# Altium PCB PCB.PcbDoc
Units mm, origin at the board's own origin, x right, y up, seen from the top; angles counter-clockwise.
Board outline 20 x 184.53 mm, 2 copper layers (Top Layer, Bottom Layer), stack 1.062 mm thick; 51 components, 26 nets, 184 pads, 25 vias.
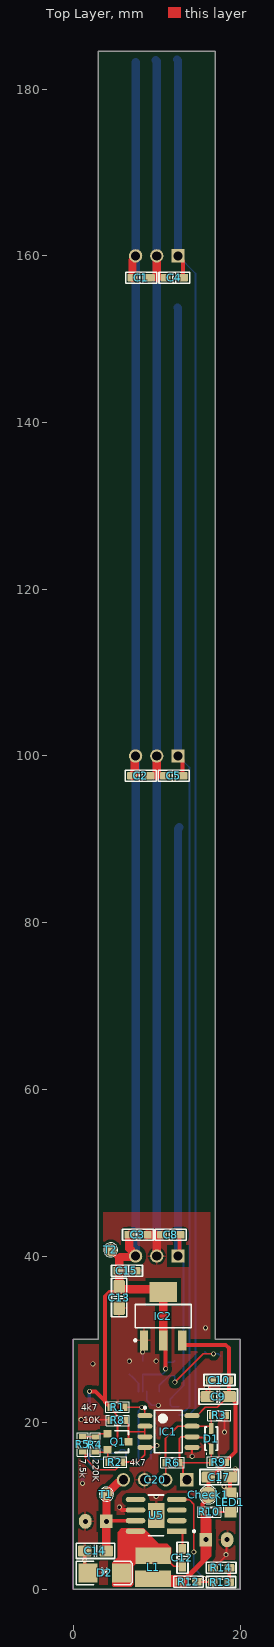
[diagram p0: Top Layer view]
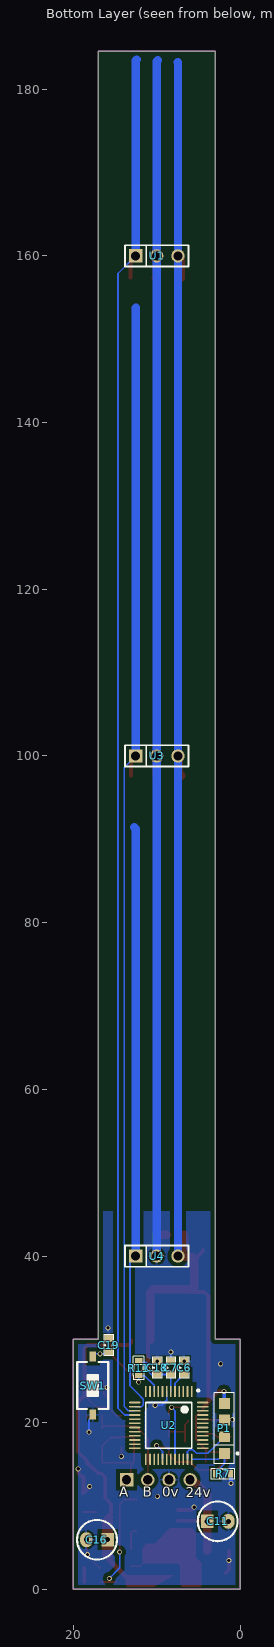
[diagram p1: Bottom Layer view, seen from below]
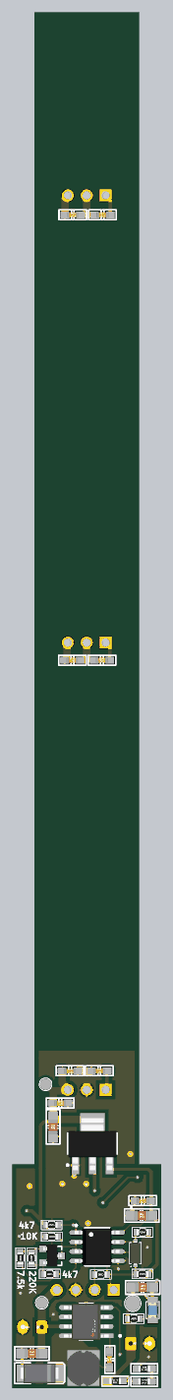
[diagram p2: 3D render of the assembled board from above, using the file's embedded part models]
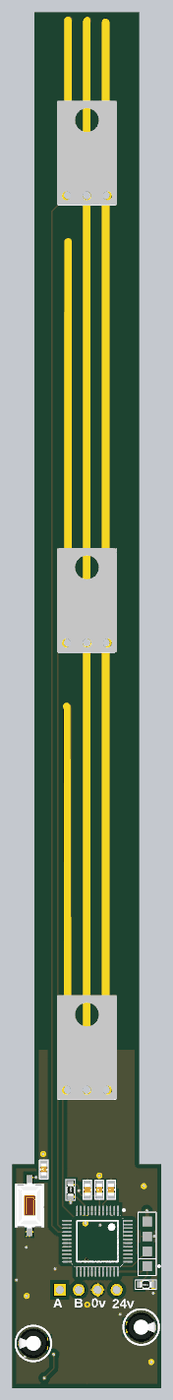
[diagram p3: 3D render of the assembled board from below, using the file's embedded part models]

## Layer stack, top to bottom
Top Solder: solder mask 0.0102, Solder Resist, Dk 3.5
Top Layer: signal copper 0.0356
Dielectric 1: core 0.9906, Core-042, Dk 4.6
Bottom Layer: signal copper 0.0356
Bottom Solder: solder mask 0.0102, Solder Resist, Dk 3.5

## Board outline
0,0 0,30 3,30 3,184.531 17,184.531 17,30 20,30 20,0

## Design rules (kind name [scope] priority, off if disabled: settings)
Clearance [All] p1: gap=0.254 ignorepadtopadclearanceinfootprint=FALSE except(0.5: Arc-Fill Arc-Poly Arc-Region Track-Fill Track-Poly Track-Region SMDPad-Fill SMDPad-Poly SMDPad-Region THPad-Fill THPad-Poly THPad-Region Via-Fill Via-Poly Via-Region Fill-Fill Fill-Poly Fill-Region Poly-Poly Poly-Region Region-Region)
PolygonConnect [All] p1: thpad.connectstyle=Relief thpad.reliefconductorwidth=0.254 thpad.reliefentries=4 thpad.polygonreliefangle="90 Angle" thpad.airgapwidth=0.254 smdpad.connectstyle=Relief smdpad.reliefconductorwidth=0.254 smdpad.reliefentries=4 smdpad.polygonreliefangle="90 Angle" smdpad.airgapwidth=0.254 via.connectstyle=Direct via.reliefconductorwidth=0.254 via.reliefentries=4 via.polygonreliefangle="90 Angle" via.airgapwidth=0.254
RoutingVias [All] p1: holewidth=0.4 width=0.6 viastyle="Through Hole" minholewidth=0.4 minwidth=0.6 maxholewidth=0.4 maxwidth=0.6
SolderMaskExpansion [All] p1: expansion=0.102 istentingtop=FALSE
Width [All] p1: maxlimit=1 minlimit=0.2 preferedwidth=0.45
30 further rules are at their usual default settings.

## Classes and differential pairs
component class MCU: C1 C2 C3 C4 C5 C6 C7 C9 C10 C11 C12 C13 C16 C17 C18 C19 C20 Check1 D1 D2 IC1 IC2 L1 LED1 P1 Q1 R1 R2 R3 R4 R5 R6 R7 R8 R9 R10 R11 R12 R13 R14 SW1 T1 T2 U1 U2 U3 U4 U5

## Components (designator, comment, footprint, x,y, rotation, side; value= is the part's Value field where it differs from the comment)
C1 "100nF" CAPC1608X90N 8.128,157.378 r0 top
C2 "100nF" CAPC1608X90N 8.077,97.638 r0 top
C3 "100nF" CAPC1608X90N 7.747,42.545 r0 top
C4 "10nF" CAPC1608X90N 12.116,157.378 r180 top
C5 "10nF" CAPC1608X90N 12.04,97.638 r180 top
C6 "100nF" CN-SMD-0603 6.706,26.594 r90 bottom value=33pF
C7 "100nF" CN-SMD-0603 8.306,26.594 r90 bottom value=33pF
C8 "10nF" CAPC1608X90N 11.684,42.545 r180 top
C9 "10µF" CAPC2012X135N 17.374,23.139 r0 top value=10μF
C10 "100nF" CAPC1608X90N 17.526,25.121 r180 top
C11 "22uF/35V" CA-ALU-2.54 2.692,8.179 r180 bottom value=104
C12 "10nF" CAPC1608X90N 13.081,3.81 r270 top
C13 "10µF" CAPC2012X135N 5.486,35.027 r90 top value=10μF
C14 "10µF" CAPC2012X135N 2.642,4.623 r0 top value=10μF
C15 "100nF" CAPC1608X90N 6.426,38.227 r0 top
C16 "22uF/35V" CA-ALU-2.54 17.17,5.969 r0 bottom value=104
C17 "100nF" CAPC2012X135N 17.501,13.487 r0 top
C18 "100nF" CN-SMD-0603 9.931,26.594 r90 bottom value=33pF
C19 "100nF" CN-SMD-0603 15.773,29.312 r90 bottom value=33pF
C20 "JP4" JP4-D1C 9.804,13.157 r180 top
Check1 "5V" SMD-2 16.18,11.354 r90 top
D1 "PSD12C" PSD12C 16.535,18.085 r90 top
D2 "SS34" DIO-SMD-106 3.759,1.981 r180 top value=1N5007
IC1 "MAX3485" SO8 11.399,18.948 r0 top
IC2 "LM1117IMP-3.3" SOT223 10.77,32.791 r0 top
L1 "CD75" 1uH 11.561,-0.915 r90 top
LED1 "LED" LED-0805-Blue 18.847,9.296 r90 top value="LED 3 - 5 ly 2 Colour"
P1 "Program" Program_SMD 1.888,16.326 r90 bottom
Q1 "2SA1015" SOT23-321 5.359,17.729 r270 top value=A1015
R1 "4k7" RES-SMD-0603 5.283,21.869 r0 top
R2 "4k7" RES-SMD-0603 5.029,15.291 r0 top
R3 "4.7K" RES-SMD-0603 17.501,20.879 r180 top
R4 "220K" RES-SMD-0603 2.591,17.399 r270 top
R5 "7.5k" RES-SMD-0603 1.092,17.399 r90 top
R6 "220R" RES-SMD-0603 11.887,15.215 r0 top
R7 "10k" RES-SMD-0603 2.057,13.868 r180 bottom
R8 "10K" RES-SMD-0603 5.309,20.295 r0 top
R9 "4.7K" RES-SMD-0603 17.475,15.291 r180 top
R10 "220" RES-SMD-0603 16.307,9.296 r0 top
R11 "10k" RES-SMD-0603 12.167,26.568 r270 bottom
R12 "10K_0603_1%" RESC1608X55N 13.818,0.914 r180 top value=10K
R13 "3K_0603_0.5%" RESC1608X55N 17.704,0.889 r180 top value=3K
R14 "220R_0603_1%" RESC1608X55N 17.729,2.591 r0 top value=220R
SW1 "RST" SW1-SMD 17.678,24.465 r270 bottom value="SW chip 2 pin"
T1 "Check" SMD_1.5 3.962,11.43 r0 top
T2 "Check" SMD_1.5 4.47,40.742 r0 top
U1 "Light Sensor" TEMT6000 10,160 r180 bottom
U2 "STM32G070CBT6" STM32G070CBT6 8.56,19.685 r270 bottom
U3 "Light Sensor" TEMT6000 10,100 r180 bottom
U4 "Light Sensor" TEMT6000 10,40 r180 bottom
U5 "TPS5430DDA" TPS5430 9.931,8.89 r180 top

## Footprints (in the part's own frame and the unit in brackets; to place one, negate y for a bottom-side part, rotate by r counter-clockwise, add the part's x,y. Pads: shape width x height; smd on the part's side, far side on the other; paste and mask are expansions set on the pad)
1uH [mm]
  rect 2x4.3 smd paste+0 mask+0: 1(2.211,2.01) 2(4.979,1.985)
  body extent 1.15,-0.16 5.95,4.14, height 3.5
CA-ALU-2.54 [mm]
  rect 1.5x1.58 hole 0.6: 1(-1.27,0)
  oval 1.5x1.8 hole 0.6: 2(1.27,0)
  silkscreen extent -2.39,-2.39 2.39,2.39, body extent -2,-2.03 2.01,1.97, height 7.01
CAPC1608X90N [mm]
  round 0.254 on Mech15: 0(0,0)
  rrect25% 1.2x0.9 smd: 1(-1.041,0) 2(1.041,0)
  Top Layer pour cut-out: -0.356,0.508 -0.356,0.523 -0.344,0.551 -0.323,0.573 -0.295,0.584 -0.279,0.584 -0.279,0.584 0.279,0.584 0.295,0.584 0.323,0.573 0.344,0.551 0.356,0.523 0.356,0.508 0.356,0.508 0.356,-0.508 0.356,-0.523 0.344,-0.551 0.323,-0.573 0.295,-0.584 0.279,-0.584 0.279,-0.584 -0.279,-0.584 -0.295,-0.584 -0.323,-0.573 -0.344,-0.551 -0.356,-0.523 -0.356,-0.508 -0.356,-0.508
  silkscreen extent -1.85,-0.66 1.85,0.66, body extent -0.8,-0.4 0.8,0.4, height 0.79
CAPC2012X135N [mm]
  round 0.254 on Mech15: 0(0,0)
  rrect25% 1.62x1.35 smd: 1(-1.295,0) 2(1.295,0)
  Top Layer pour cut-out: -0.381,0.686 -0.381,0.711 -0.362,0.758 -0.326,0.793 -0.279,0.813 -0.254,0.813 -0.254,0.813 0.254,0.813 0.279,0.813 0.326,0.793 0.362,0.758 0.381,0.711 0.381,0.686 0.381,0.686 0.381,-0.686 0.381,-0.711 0.362,-0.758 0.326,-0.793 0.279,-0.813 0.254,-0.813 0.254,-0.813 -0.254,-0.813 -0.279,-0.813 -0.326,-0.793 -0.362,-0.758 -0.381,-0.711 -0.381,-0.686 -0.381,-0.686
  silkscreen extent -2.31,-0.91 2.31,0.91, body extent -1,-0.62 1,0.63, height 0.89
CN-SMD-0603 [mm]
  rect 0.9x1 smd: 1(-0.8,0) 2(0.8,0)
  silkscreen extent -1.27,-0.58 1.27,0.58, body extent -0.8,-0.4 0.8,0.4, height 0.3
DIO-SMD-106 [mil]
  rect 90x90.55 smd: 1(80,0) 2(-80,0)
  silkscreen extent -130,-55 135,55, body extent -99,-50 106,52, height 95
JP4-D1C [mm]
  rect 1.6x1.6 hole 1.1: 1(-3.81,0)
  round 1.6 hole 1.1: 2(-1.27,0) 3(1.27,0) 4(3.81,0)
LED-0805-Blue [mil]
  rect 50x55 smd: 1(0,0) 2(90,0)
  silkscreen extent 0,-35 90,35, body extent 5,-25 85,25, height 43
Program_SMD [mm]
  rect 1.3x1.3 smd paste+0 mask+0: 1(0.001,-0.008) 2(2.001,-0.008) 3(4.001,-0.008) 4(6.001,-0.008)
  silkscreen extent -1.25,-1.71 7.25,1.19
PSD12C [mm] "Molded Diode, 2-Leads, Body 2.60x1.35mm, IPC Medium Density"
  rect 1.35x0.55 smd: 1(-1.225,0) 2(1.225,0)
  silkscreen extent -1.85,-0.75 1.4,0.75, body extent -1.62,-0.75 1.62,0.75, height 1.1
RES-SMD-0603 [mm]
  rect 0.6x0.9 smd: 1(-0.889,0) 2(0.927,0)
  silkscreen extent -1.4,-0.64 1.4,0.64, body extent -0.8,-0.4 0.8,0.4, height 0.43
RESC1608X55N [mm]
  round 0.254 on Mech3: 0(0,0)
  rrect25% 1.17x0.9 smd: 1(-0.991,0) 2(0.991,0)
  Top Layer pour cut-out: -0.356,0.508 -0.356,0.523 -0.344,0.551 -0.323,0.573 -0.295,0.584 -0.279,0.584 -0.279,0.584 0.279,0.584 0.295,0.584 0.323,0.573 0.344,0.551 0.356,0.523 0.356,0.508 0.356,0.508 0.356,-0.508 0.356,-0.523 0.344,-0.551 0.323,-0.573 0.295,-0.584 0.279,-0.584 0.279,-0.584 -0.279,-0.584 -0.295,-0.584 -0.323,-0.573 -0.344,-0.551 -0.356,-0.523 -0.356,-0.508 -0.356,-0.508
  silkscreen extent -1.78,-0.66 1.78,0.66, body extent -0.77,-0.42 0.78,0.43, height 0.44
SMD-2 [mm]
  round 2 smd paste+0 mask+0: 1(0,0)
  silkscreen extent -1.1,-1.1 1.1,1.1
SMD_1.5 [mm]
  round 1.5 smd paste+0 mask+0: 1(0,0)
  silkscreen extent -0.85,-0.85 0.85,0.85
SO8 [mm] "SOIC, 8-Leads, Body 4.9x3.9mm, Pitch 1.27mm, IPC High Density"
  oval 1.8x0.6 smd: 1(-2.825,1.905) 2(-2.825,0.635) 3(-2.825,-0.635) 4(-2.825,-1.905) 5(2.825,-1.905) 6(2.825,-0.635) 7(2.825,0.635) 8(2.825,1.905)
  silkscreen extent -2.95,-2.55 1.68,2.98, body extent -2.99,-2.45 3,2.45, height 1.6
SOT23-321 [mm]
  rect 0.9x0.95 smd mask+0: 1(0.95,-1.25)
  rect 0.9x0.95 smd: 2(0,1.25) 3(-0.95,-1.25)
  silkscreen extent -1.3,-0.38 1.3,1.25, body extent -1.52,-1.23 1.48,1.27, height 1.06
SOT223 [mm]
  rect 1x2.4 smd: 1(-2.3,-2.9) 2(0,-2.9) 3(2.3,-2.9)
  rect 3.3x2.4 smd: 4(0,2.9)
  silkscreen extent -3.47,-3.02 3.35,1.4, body extent -3.25,-3.56 3.25,3.4, height 1.68
STM32G070CBT6 [mm]
  rect 1.355x0.212 smd paste+0 mask+0: 1(-4.075,2.75)
  rrect100% 1.355x0.212 smd paste+0 mask+0: 2(-4.075,2.25) 3(-4.075,1.75) 4(-4.075,1.25) 5(-4.075,0.75) 6(-4.075,0.25) 7(-4.075,-0.25) 8(-4.075,-0.75) 9(-4.075,-1.25) 10(-4.075,-1.75) 11(-4.075,-2.25) 12(-4.075,-2.75) 25(4.075,-2.75) 26(4.075,-2.25) 27(4.075,-1.75) 28(4.075,-1.25) 29(4.075,-0.75) 30(4.075,-0.25) 31(4.075,0.25) 32(4.075,0.75) 33(4.075,1.25) 34(4.075,1.75) 35(4.075,2.25) 36(4.075,2.75)
  rrect100% 0.212x1.355 smd paste+0 mask+0: 13(-2.75,-4.075) 14(-2.25,-4.075) 15(-1.75,-4.075) 16(-1.25,-4.075) 17(-0.75,-4.075) 18(-0.25,-4.075) 19(0.25,-4.075) 20(0.75,-4.075) 21(1.25,-4.075) 22(1.75,-4.075) 23(2.25,-4.075) 24(2.75,-4.075) 37(2.75,4.075) 38(2.25,4.075) 39(1.75,4.075) 40(1.25,4.075) 41(0.75,4.075) 42(0.25,4.075) 43(-0.25,4.075) 44(-0.75,4.075) 45(-1.25,4.075) 46(-1.75,4.075) 47(-2.25,4.075) 48(-2.75,4.075)
  silkscreen extent -4.3,-2.75 2.75,3.66, body extent -4.5,-4.5 4.5,4.5, height 1.6
SW1-SMD [mm]
  rect 1.2x0.8 smd: 1(-3.5,0) 2(3.5,0)
  silkscreen extent -2.82,-1.85 2.82,1.85, body extent -3.05,-1.85 3.05,1.85, height 2.5
TEMT6000 [mm]
  rect 1.6x1.6 hole 1.1: 1(-2.54,0)
  round 1.6 hole 1.1: 2(0,0) 3(2.54,0)
  silkscreen extent -3.81,-1.27 3.81,1.27, body extent -3.97,-1.31 4.03,12.69, height 2.71
TPS5430 [mm]
  rect 2.353x0.622 smd paste+0 mask+0: 1(-2.477,1.905)
  rrect100% 2.353x0.622 smd paste+0 mask+0: 2(-2.477,0.635) 3(-2.477,-0.635) 4(-2.477,-1.905) 5(2.477,-1.905) 6(2.477,-0.635) 7(2.477,0.635) 8(2.477,1.905)
  rect 2x3 smd paste-1000 mask+0: 9(0,0)
  silkscreen extent -4.68,-2.45 0.93,2.45, body extent -4.15,-2.95 4.15,2.95, height 0.25

## Part data
C1 C2 C3 C4 C5 C8 C10 C15: library part CAPC_100nF_0603_X7R_50V_10%, "0.1μF ±10% 50V Ceramic Capacitor X7R 0603 (1608 Metric)", Manufacturer 1="TDK Corporation", Manufacturer Part Number 1=CGA3E2X7R1H104K080AA, Operating Temperature="-55°C ~ 125°C", Package / Case="0603 (1608 Metric)", Ratings=AEC-Q200, Supplier Part Number 1=445-5666-6-ND, Temperature Coefficient=X7R, Tolerance=±10%, Voltage - Rated=50V, Applications=Automotive, Packaging=Digi-Reel®, Pcs 2=10, Price 2=1800, Supplier 1=Digi-Key, Supplier 2=www.thegioiic.com, Supplier Part Number 2=https://www.thegioiic.com/products/tu-gom-0603-100nf-0-1uf-50v
C6 C7 C18 C19: library part CN
C9 C13: library part CAPC_4.7uF_0805_X7R_50V_10%, "4.7μF ±10% 50V Ceramic Capacitor X7R 0805 (2012 Metric)", Manufacturer 1="TDK Corporation", Manufacturer Part Number=CGA4J1X7R1H475K125AE, Operating Temperature="-55°C ~ 125°C", Package / Case="0805 (2012 metric)", Ratings=AEC-Q200, Supplier Part Number 1=445-181410-6-ND, Temperature Coefficient=X7R, Tolerance=±10%, Voltage - Rated=50V, Pcs 2=1, Price 2=680, Supplier 1=Digi-Key, Supplier 2=https://www.thegioiic.com, Supplier Part Number 2=https://www.thegioiic.com/products/tu-gom-0805-4-7uf-50v
C11 C16: library part CN-ALU-DIP, "Capacitor (Semiconductor SIM Model)", LatestRevisionDate=17-Jul-2002, LatestRevisionNote="Re-released for DXP Platform.", PackageReference=C1206, Publisher="Altium Limited"
C12: library part CAPC_10000pF_0603_50V_10%, "10000pF ±10% 50V Ceramic Capacitor X7R 0603 (1608 Metric)", Manufacturer 1="TDK Corporation", Manufacturer Part Number 1=CGA3E2X7R1H103K080AA, Operating Temperature="-55°C ~ 125°C", Package / Case="0603 (1608 Metric)", Ratings=AEC-Q200, Supplier Part Number 1=445-5662-6-ND, Temperature Coefficient=X7R, Tolerance=±10%, Voltage - Rated=50V, Pcs 2=10, Price 2=1900, Supplier 1=Digi-Key, Supplier 2=https://www.thegioiic.com, Supplier Part Number 2=https://www.thegioiic.com/products/tu-gom-0603-10nf-50v
C14: library part CAPC_10uF_0805_X7R_25V_10%, "10μF ±10% 25V Ceramic Capacitor X7R 1206 (3216 Metric)", Manufacturer 1="Taiyo Yuden", Manufacturer Part Number=TMK316AB7106KLHT, Operating Temperature="-55°C ~ 125°C", Package / Case="0805 (2012 metric)", Ratings=AEC-Q200, Supplier Part Number 1=587-3485-6-ND, Temperature Coefficient=X7R, Tolerance=±10%, Voltage - Rated=25V, Pcs 2=10, Price 2=5800, Supplier 1=Digi-Key, Supplier 2=https://www.thegioiic.com, Supplier Part Number 2=https://www.thegioiic.com/products/tu-gom-0805-10uf-25v
C17: library part CAPC_100nF_0805_X7R_50V_10%, "0.1μF ±10% 50V Ceramic Capacitor X7R 0805 (2012 Metric)", Manufacturer 1="Samsung Electro-Mechanics", Manufacturer Part Number=CL21B104KBFXPJE, Operating Temperature="-55°C ~ 125°C", Package / Case="0805 (2012 metric)", Ratings=AEC-Q200, Supplier Part Number 1=1276-CL21B104KBFXPJEDKR-ND, Temperature Coefficient=X7R, Tolerance=±10%, Voltage - Rated=50V, Pcs 2=10, Price 2=2000, Supplier 1=Digi-Key, Supplier 2=https://www.thegioiic.com, Supplier Part Number 2=https://www.thegioiic.com/products/tu-gom-0805-100nf-0-1uf-50v
C20: "WR-PHD 2.54 mm Angled Socket Header", Manufacturer="W¨1rth Elektronik eiSos GmbH", partNo=613004143121, ComponentLink1 Description=Manufacturer, ComponentLink1URL=http://www.we-online.com, ComponentLink2 Description=Datasheet, ComponentLink2URL=http://katalog.we-online.de/em/datasheet/6130xx143121.pdf, Created by="Karrer Zheng", Created Date="29 March 2013", NoPins=04
Check1 T1 T2: library part Test, "WR-PHD 2.54 mm Angled Socket Header", Manufacturer="W¨1rth Elektronik eiSos GmbH", partNo=613002143121, ComponentLink1 Description=Manufacturer, ComponentLink1URL=http://www.we-online.com, ComponentLink2 Description=Datasheet, ComponentLink2URL=http://katalog.we-online.de/em/datasheet/6130xx143121.pdf, Created by="Karrer Zheng", Created Date="29 March 2013", NoPins=02
D1: "diode tvs"
D2: library part "Diode SMD", "Default Diode", Code - JEDEC=DO-214-AB, Published=8-Jun-2000, Publisher="Altium Limited", Revision="July-2002: Re-released for DXP Platform."
IC1: library part MAX485, "RS232 - RS485 (Same sn75176)"
IC2: library part IC_LM1117IMP-3.3, "Linear Voltage Regulator IC  1 Output  800mA SOT-223", Current - Output=800mA, Manufacturer="Texas Instruments", Manufacturer Part Number=LM1117IMP-3.3/NOPB, Operating Temperature="-40°C ~ 125°C", Supplier Device Package=SOT-223, Supplier Part Number 1=LM1117IMP-3.3/NOPBDKR-ND, Voltage - Input (Max)=15V, Voltage Dropout (Max)="1.2V @ 800mA", Pcs 2=1, Price 2=11000, Protection Features="Over Current, Over Temperature", PSRR="75dB (120Hz)", Supplier 1=Digi-Key, Supplier 2=https://www.thegioiic.com, Supplier Part Number 2=https://www.thegioiic.com/products/lm1117imp-3-3-nopb-ic-on-ap-3-3v-800ma
L1: library part 1uH, ComponentLink1Description=Buy, ComponentLink1URL=https://www.thegioiic.com/products/cuon-cam-dan-smd-cd43-4532-1r0-1uh-2-7a
LED1: library part "LED SMD"
Q1: "PNP 600mW, ECB"
R1 R2 R3 R4 R5 R6 R7 R8 R9 R10 R11: library part Res-SMD, "Resistor", Manufacturer="Generic Components", Class=Passive, Published=08/06/2000, Publisher="Altium Hobart Technology Centre"
R12: library part RES_10K_0603_1%, "10 kOhms ±1% 0.1W, 1/10W Chip Resistor 0603 (1608 Metric) Anti-Sulfur, Automotive AEC-Q200, Moisture Resistant Thin Film", Manufacturer="Stackpole Electronics Inc", Manufacturer Part Number=RMCF0603FT10K0, Operating Temperature="-55°C ~ 155°C", Package / Case="0603 (1608 Metric)", Power (Watts)=1/10W, Ratings="Automotive AEC-Q200", Supplier Part Number 1=RMCF0603FT10K0DKR-ND, Temperature Coefficient=±100ppm/°C, Tolerance=±1%, Pcs 2=50, Price 2=2000, Supplier 1=Digi-Key, Supplier 2=www.thegioiic.com, Supplier Part Number 2=https://www.thegioiic.com/products/dien-tro-10-kohm-0603-1
R13: library part RES_3K_0603_1%, "3 kOhms ±1% 0.1W, 1/10W Chip Resistor 0603 (1608 Metric) Automotive AEC-Q200 Thick Film", Manufacturer="Stackpole Electronics Inc", Manufacturer Part Number=RMCF0603FT3K00, Operating Temperature="-55°C ~ 155°C", Package / Case="0603 (1608 Metric)", Power (Watts)=1/10W, Ratings=AEC-Q200, Supplier Part Number 1=RMCF0603FT3K00DKR-ND, Temperature Coefficient=±100ppm/°C, Tolerance=±1%, Pcs 2=50, Price 2=2000, Supplier 1=Digi-Key, Supplier 2=www.thegioiic.com, Supplier Part Number 2=https://www.thegioiic.com/products/dien-tro-3-kohm-0603-1
R14: library part RES_220R_0603_1%, "220 Ohms ±1% 0.1W, 1/10W Chip Resistor 0603 (1608 Metric) Automotive AEC-Q200 Thick Film", Manufacturer="Stackpole Electronics Inc", Manufacturer Part Number=RMCF0603FT220R, Operating Temperature="-55°C ~ 155°C", Package / Case="0603 (1608 Metric)", Power (Watts)="0.1W, 1/10W", Ratings=AEC-Q200, Supplier Part Number 1=RMCF0603FT220RDKR-ND, Temperature Coefficient=±100ppm/°C, Tolerance=±1%, Composition="Thick Film", Pcs 2=50, Price 2=2000, Supplier 1=Digi-Key, Supplier 2=www.thegioiic.com, Supplier Part Number 2=https://www.thegioiic.com/products/dien-tro-220-ohm-0603-1
SW1: library part SW2, "Switch button 2 pin"
U1 U3 U4: library part TEMT6000, "TEMT6000 Analog Light Sensor"
U2: "No Description Available", Built_By=EMA_UL_Team, Copyright="Copyright (C) 2018 Accelerated Designs. All rights reserved", Manufacturer_Part_Number=STM32G070CBT6, RefDes=RefDes, SourceLibrary=Updates_to_database_2020-10-19, Type=DEV, Vendor=STMicroelectronics

## Via types
v1: diameter 0.6, hole 0.4, Top Layer to Bottom Layer, tented both sides, 16 vias
v2: diameter 0.6, hole 0.4, Top Layer to Bottom Layer, 9 vias

## Nets (pads, with @x,y where several pads share a name; then routed paths per layer and width w, separated by ;. In a path a pad name is that pad's centre, name@x,y a point inside that pad or via, vN(x,y) a via of type N, cw(c..) or ccw(c..) an arc to the next point about the centre after c; other vN are vias at no path point)
3.3V: C1.1 C2.1 C3.1 C7.1 C13.2 C15.1 C18.1 IC2.2 IC2.4 P1.4 Q1.1 R1.1 R2.1 R4.2 R11.1 T2.1 U1.3 U2.6 U3.3 U4.3 | length 209.2
  Top Layer w0.2: R4.2 3.802,16.472 Q1.1 ; R2.1 4.109,15.322 Q1.1 ; R1.1 4.394,21.719 5.283,20.83 5.283,17.953 4.484,17.154 4.484,17.129 4.134,16.779 Q1.1
  Top Layer w0.45: v1(1.93,23.774) 1.959,23.746 2.668,23.746 3.785,22.629 ; 3.86,22.554 3.785,22.629 ; R1.1 3.785,22.479 3.785,22.629 ; T2.1 4.47,40.555 5.385,39.641 5.486,39.742 ; C13.2@5.661,36.012 5.936,35.737 6.071,35.737 6.117,35.691 4.297,35.691 3.785,35.179 3.785,22.629 ; IC2.2 11.045,29.616 11.045,28.657 11.049,28.653 11.049,26.492 v1(11.074,26.467)
  Top Layer w1: C3.1 6.706,40.917 U4.3@7.036,40.587 ; C2.1 7.086,97.638 7.136,97.688 7.136,97.738 7.345,97.947 7.345,99.885 U3.3 ; C1.1@7.112,157.353 C1.1 7.087,159.464 7.46,159.838 U1.3 ; U4.3 7.345,39.885 5.629,39.885 5.486,39.742 C13.2 5.486,36.187 5.661,36.012 10.449,36.012 IC2.4 10.77,30.591 IC2.2
  Bottom Layer w0.2: U2.6 8.31,25.79 C7.1 C18.1 10.655,25.794 10.998,26.136 ; v1@11.106,26.498 11.106,27.067 11.297,27.257 11.967,27.257 R11.1
  Bottom Layer w0.45: P1.4 1.905,22.352 1.905,23.749 v1(1.93,23.774)
  Bottom Layer w1: U4.3 U3.3 U1.3 7.46,183.228 7.468,183.236
24Vdc: C11.1 C14.2 C20.4 T1.1 U5.7 | length 13.1
  Top Layer w0.45: C11.1 4.039,8.255 U5.7
  Top Layer w1: C14.2 3.95,4.635 3.95,8.166 C11.1 T1.1 5.412,12.88 5.555,12.88 5.832,13.157 C20.4
+5: C9.2 C10.1 C16.1 C17.1 Check1.1 IC1.8 IC2.3 L1.1 R9.1 R10.1 R12.2 | length 46.9
  Top Layer w0.2: L1.1 9.931,0.914 R12.2 12.962,0.914 15.9,3.853 C16.1 15.9,8.664 15.418,9.146 R10.1 ; IC1.8 14.824,20.853 15.815,21.844 17.239,21.844 18.534,23.139 C9.2
  Top Layer w0.45: IC2.3 13.07,29.612 13.345,29.337 18.288,29.337 18.669,28.956 18.669,25.121 C9.2 18.804,23.139 19.254,22.689 19.254,22.604 19.448,22.41 19.448,16.525 18.364,15.441 18.364,15.141 18.289,15.066 18.19,15.066 17.062,13.937 16.655,13.937 16.192,13.475 16.192,11.367 Check1.1 16.18,10.934 15.493,10.247 15.493,9.371 R10.1
"Control Modbus": IC1.2 IC1.3 Q1.2 R8.2 | length 6
  Top Layer w0.2: R8.2 6.235,20.145 6.609,19.771 6.609,18.898 ; Q1.2 6.609,18.898 ; IC1.3 8.574,18.923 ; IC1.2 8.574,18.923 ; 6.609,18.898 6.635,18.923 8.574,18.923
DIO: P1.2 U2.35 | length 6.5
  Bottom Layer w0.2: P1.2 3.076,17.13 3.076,17.121 3.865,16.332 5.232,16.332 5.664,16.764 6.096,16.764 6.31,16.55 U2.35
GND: C1.2 C2.2 C3.2 C4.2 C5.2 C6.2 C7.2 C8.2 C9.1 C10.2 C11.2 C13.1 C14.1 C15.2 C16.2 C17.2 C18.2 C19.2 C20.3 D2.1 IC1.5 IC2.1 LED1.2 P1.3 R3.1 R7.2 R8.1 R14.1 SW1.2 U1.2 U2.7 U3.2 U4.2 U5.6 U5.9 | length 184.6
  Top Layer w0.2: v1(0.94,20.371) 4.343,20.371 R8.1 ; IC1.5 14.224,16.002 v1(14.249,15.977) ; v1(15.951,24.257) 15.951,23.266 C9.1 16.358,23.419 16.358,24.994 C10.2 ; R14.1 16.874,2.591 18.313,4.031 v1(18.313,4.166) 18.44,4.293 18.435,4.293 18.377,4.35 18.377,5.905 C16.2 ; v1(18.136,18.872) 18.136,20.475 18.39,20.729 R3.1
  Top Layer w0.45: C14.1 v2(1.346,3.48) 1.346,2.362 D2.1 ; v2@2.261,27.076 v2(2.337,27.076) ; v1(5.512,9.881) 5.512,9.83 5.817,9.525 U5.6 ; v2@9.931,11.074 v2(9.931,11.176) ; v2(18.059,12.344) 18.059,12.306 18.783,11.582 LED1.2 18.796,11.633 C17.2 18.931,13.487 19.381,13.937 19.381,14.072 19.402,14.094 19.402,14.449 v1(19.431,14.478)
  Top Layer w1: C3.2 10.008,42.545 10,42.537 U4.2 ; 9.982,97.638 10,97.655 U3.2 ; U1.2 10,157.5 10.122,157.378
  Bottom Layer w0.2: v1(0.94,20.371) 1.835,20.371 P1.3 ; C6.2 v2(6.718,27.394) ; C7.2 v2(8.306,28.499) ; U2.7 8.81,22.686 9.398,22.098 v2(10.185,22.098) ; v2(9.931,27.381) C18.2 ; 15.85,31.039 v2(15.85,31.394) ; SW1.2 17.678,20.765 17.978,20.465 18.018,20.465 18.136,20.348 v1(18.136,18.872)
  Bottom Layer w0.45: v1(1.092,12.725) 1.092,13.83 R7.2
  Bottom Layer w1: 9.881,183.464 10,183.345 U1.2 U3.2 U4.2
Modbus_A1: C20.1 D1.1 IC1.6 R6.2 R9.2 | length 15.4
  Top Layer w0.2: C20.1 13.14,13.632 13.14,14.748 13.022,14.865 13.014,14.865 12.814,15.065 R6.2 ; R6.2 12.725,15.303 12.725,18.11 12.929,18.313 IC1.6 14.301,18.237 15.558,18.237 16.36,17.435 16.535,17.26 16.535,15.215 R6.2
Modbus_B1: C20.2 D1.2 IC1.7 R3.2 R6.1 | length 13
  Top Layer w0.2: C20.2 11.074,14.836 10.846,15.065 10.996,15.215 R6.1 11.046,15.262 11.046,18.107 12.522,19.583 16.36,19.583 16.535,19.408 D1.2 16.535,20.84 R3.2
NetC12_1: C12.1 U5.1 | length 2.7
  Top Layer w0.2: U5.1 12.87,6.985 13.081,6.774 C12.1
NetC12_2: C12.2 D2.2 L1.2 U5.8 | length 14.3
  Top Layer w0.2: D2.2 5.791,3.937 9.449,3.937 L1.2 ; U5.8 7.455,5.035 8.426,4.064 L1.2 ; C12.2 12.021,2.769 10.726,4.064 L1.2
NetLED1_1: LED1.1 R10.2 | length 1.6
  Top Layer w0.2: R10.2 LED1.1
NetQ1_3: Q1.3 R4.1 R5.2 | length 3.2
  Top Layer w0.2: R5.2 2.553,18.326 R4.1 2.741,18.288 3.132,18.679 Q1.3
NetR12_1: R12.1 R13.2 U5.4 | length 14.1
  Top Layer w0.2: U5.4 13.885,10.795 14.453,10.227 v1(14.453,4.496) ; R12.1 14.821,0.902 15.799,0.902 ; v1(15.697,1.321) 15.774,1.244 15.774,0.946 15.799,0.921 15.799,0.902 ; R13.2 16.7,0.902 15.799,0.902
  Bottom Layer w0.2: v1(14.453,4.496) 14.427,4.47 14.427,2.591 v1(15.697,1.321)
NetR13_1: R13.1 R14.2 | length 1.7
  Top Layer w0.45: R13.1 18.707,0.902 18.707,2.578 R14.2
OSC32_IN: U2.2
OSC32_OUT: U2.3
OSC_IN: U2.8
OSC_OUT: U2.9
RST_STM: C19.1 R11.2 SW1.1 U2.10 | length 12
  Top Layer w0.2: v1(12.167,24.867) 15.57,28.27 v1(16.815,28.27)
  Bottom Layer w0.2: U2.10 10.312,23.763 10.312,24.485 11.469,25.642 R11.2 v1(12.167,24.867) ; C19.1 16.015,28.27 v1(16.815,28.27) 17.378,28.27 17.678,27.97 SW1.1
"Sensor 1": C4.1 U1.1 U2.16 | length 168
  Top Layer w0.45: U1.1 13.157,159.383 C4.1
  Bottom Layer w0.2: U1.1 14.656,157.884 14.656,21.742 13.848,20.935 U2.16
  Bottom Layer w1: 12.421,183.566 12.54,183.446 U1.1
"Sensor 2": C5.1 U2.15 U3.1 | length 136.5
  Top Layer w0.45: U3.1 13.081,99.459 C5.1
  Bottom Layer w0.2: U3.1 13.919,98.621 13.919,21.946 13.411,21.437 12.638,21.437 U2.15
  Bottom Layer w1: 12.497,153.797 12.54,153.754 U3.1
"Sensor 3": C8.1 U2.14 U4.1 | length 74
  Top Layer w0.45: U4.1 12.725,40.185 C8.1
  Bottom Layer w0.2: U4.1 13.208,39.332 13.208,24.442 12.287,23.521 12.287,23.516 11.604,22.832 11.604,22.16 11.827,21.937 12.633,21.937 U2.14
  Bottom Layer w1: U4.1 12.54,91.28 12.7,91.44
SWCLK: P1.1 R7.1 U2.36 | length 7.1
  Bottom Layer w0.2: R7.1 2.946,14.018 1.88,15.085 P1.1 2.597,15.61 U2.36
UART1_RX: IC1.1 R1.2 U2.32 | length 9.5
  Top Layer w0.2: R1.2 8.179,21.87 v1(8.204,21.844) 8.574,21.474 IC1.1
  Bottom Layer w0.2: U2.32 7.81,21.45 v1(8.204,21.844)
UART1_TX: IC1.4 R2.2 R5.1 U2.29 | length 13.8
  Top Layer w0.2: R5.1 1.242,16.51 1.442,16.31 1.442,15.754 2.819,14.376 5.041,14.376 5.606,14.941 5.756,14.941 5.956,15.141 R2.2 7.696,15.291 8.574,16.169 IC1.4 9.706,17.043 9.909,17.247 v1(10.008,17.247)
  Bottom Layer w0.2: U2.29 9.31,16.549 v1(10.008,17.247)
V_VREF: C6.1 U2.5 | length 2.5
  Bottom Layer w0.2: C6.1 6.756,25.794 7.106,25.444 7.807,24.742 7.807,23.763 U2.5
pads on no net: C1.0 C2.0 C3.0 C4.0 C5.0 C8.0 C9.0 C10.0 C12.0 C13.0 C14.0 C15.0 C17.0 R12.0 R13.0 R14.0 U2.1 U2.4 U2.11 U2.12 U2.13 U2.17 U2.18 U2.19 U2.20 U2.21 U2.22 U2.23 U2.24 U2.25 U2.26 U2.27 U2.28 U2.30 U2.31 U2.33 U2.34 U2.37 U2.38 U2.39 U2.40 U2.41 U2.42 U2.43 U2.44 U2.45 U2.46 U2.47 U2.48 U5.2 U5.3 U5.5

## Polygon pours and split planes (outlines as drawn)
GND on Bottom Layer "GND_L02_P001" (solid, remove dead copper, pour order 1): 0.051,0.025 20.066,0.025 19.964,0.127 19.964,29.997 16.866,29.997 16.789,30.074 16.789,45.364 2.921,45.364 2.921,30.074 0.051,30.074 -0.025,29.997
GND on Top Layer "GND_L01_P000" (solid, remove dead copper, pour order 0): 0.076,-0.076 0.152,0 19.939,0 19.939,30.023 19.888,30.074 16.967,30.074 16.967,45.314 16.916,45.263 2.972,45.263 2.972,29.997 0.076,29.997

## Keep-outs
Keep-Out Layer:
  the board outline again, w0.1

## Other copper
Top Layer:
  region net +5: 7.899,1.676 13.462,1.676 15.291,3.505 15.291,8.865 15.697,9.271 16.561,8.407 16.561,3.988 13.716,1.143 13.716,0.483 13.691,0.483 13.538,0.33 10.338,0.33
  region net NetC12_2: 5.309,6.883 5.74,7.315 8.433,7.315 10.262,5.486 11.252,5.486 11.709,5.029 11.709,3.175 7.544,3.175 7.163,2.794 7.163,0.584 6.934,0.356 4.75,0.356 4.648,0.457 4.648,3.226 5.309,3.886 5.309,6.147

## Silkscreen, mask and mechanical layers (free items; w line width, h text height)
Bottom Overlay:
  text "B" at 11.684,10.719 h2
  text "0v" at 9.347,10.693 h2
  text "A" at 14.478,10.693 h2
  text "24v" at 6.528,10.643 h2
Bottom Solder:
  lines w1: 7.46,39.929 7.46,65.141 7.46,183.312 ; 10.008,39.903 10.008,65.126 10.008,183.464 ; 12.497,153.746 12.532,100.015 ; 12.529,183.464 12.54,160 ; 12.54,40 12.7,91.415